# KiCad board rabbit_mask_video_edit.kicad_pcb (continued)
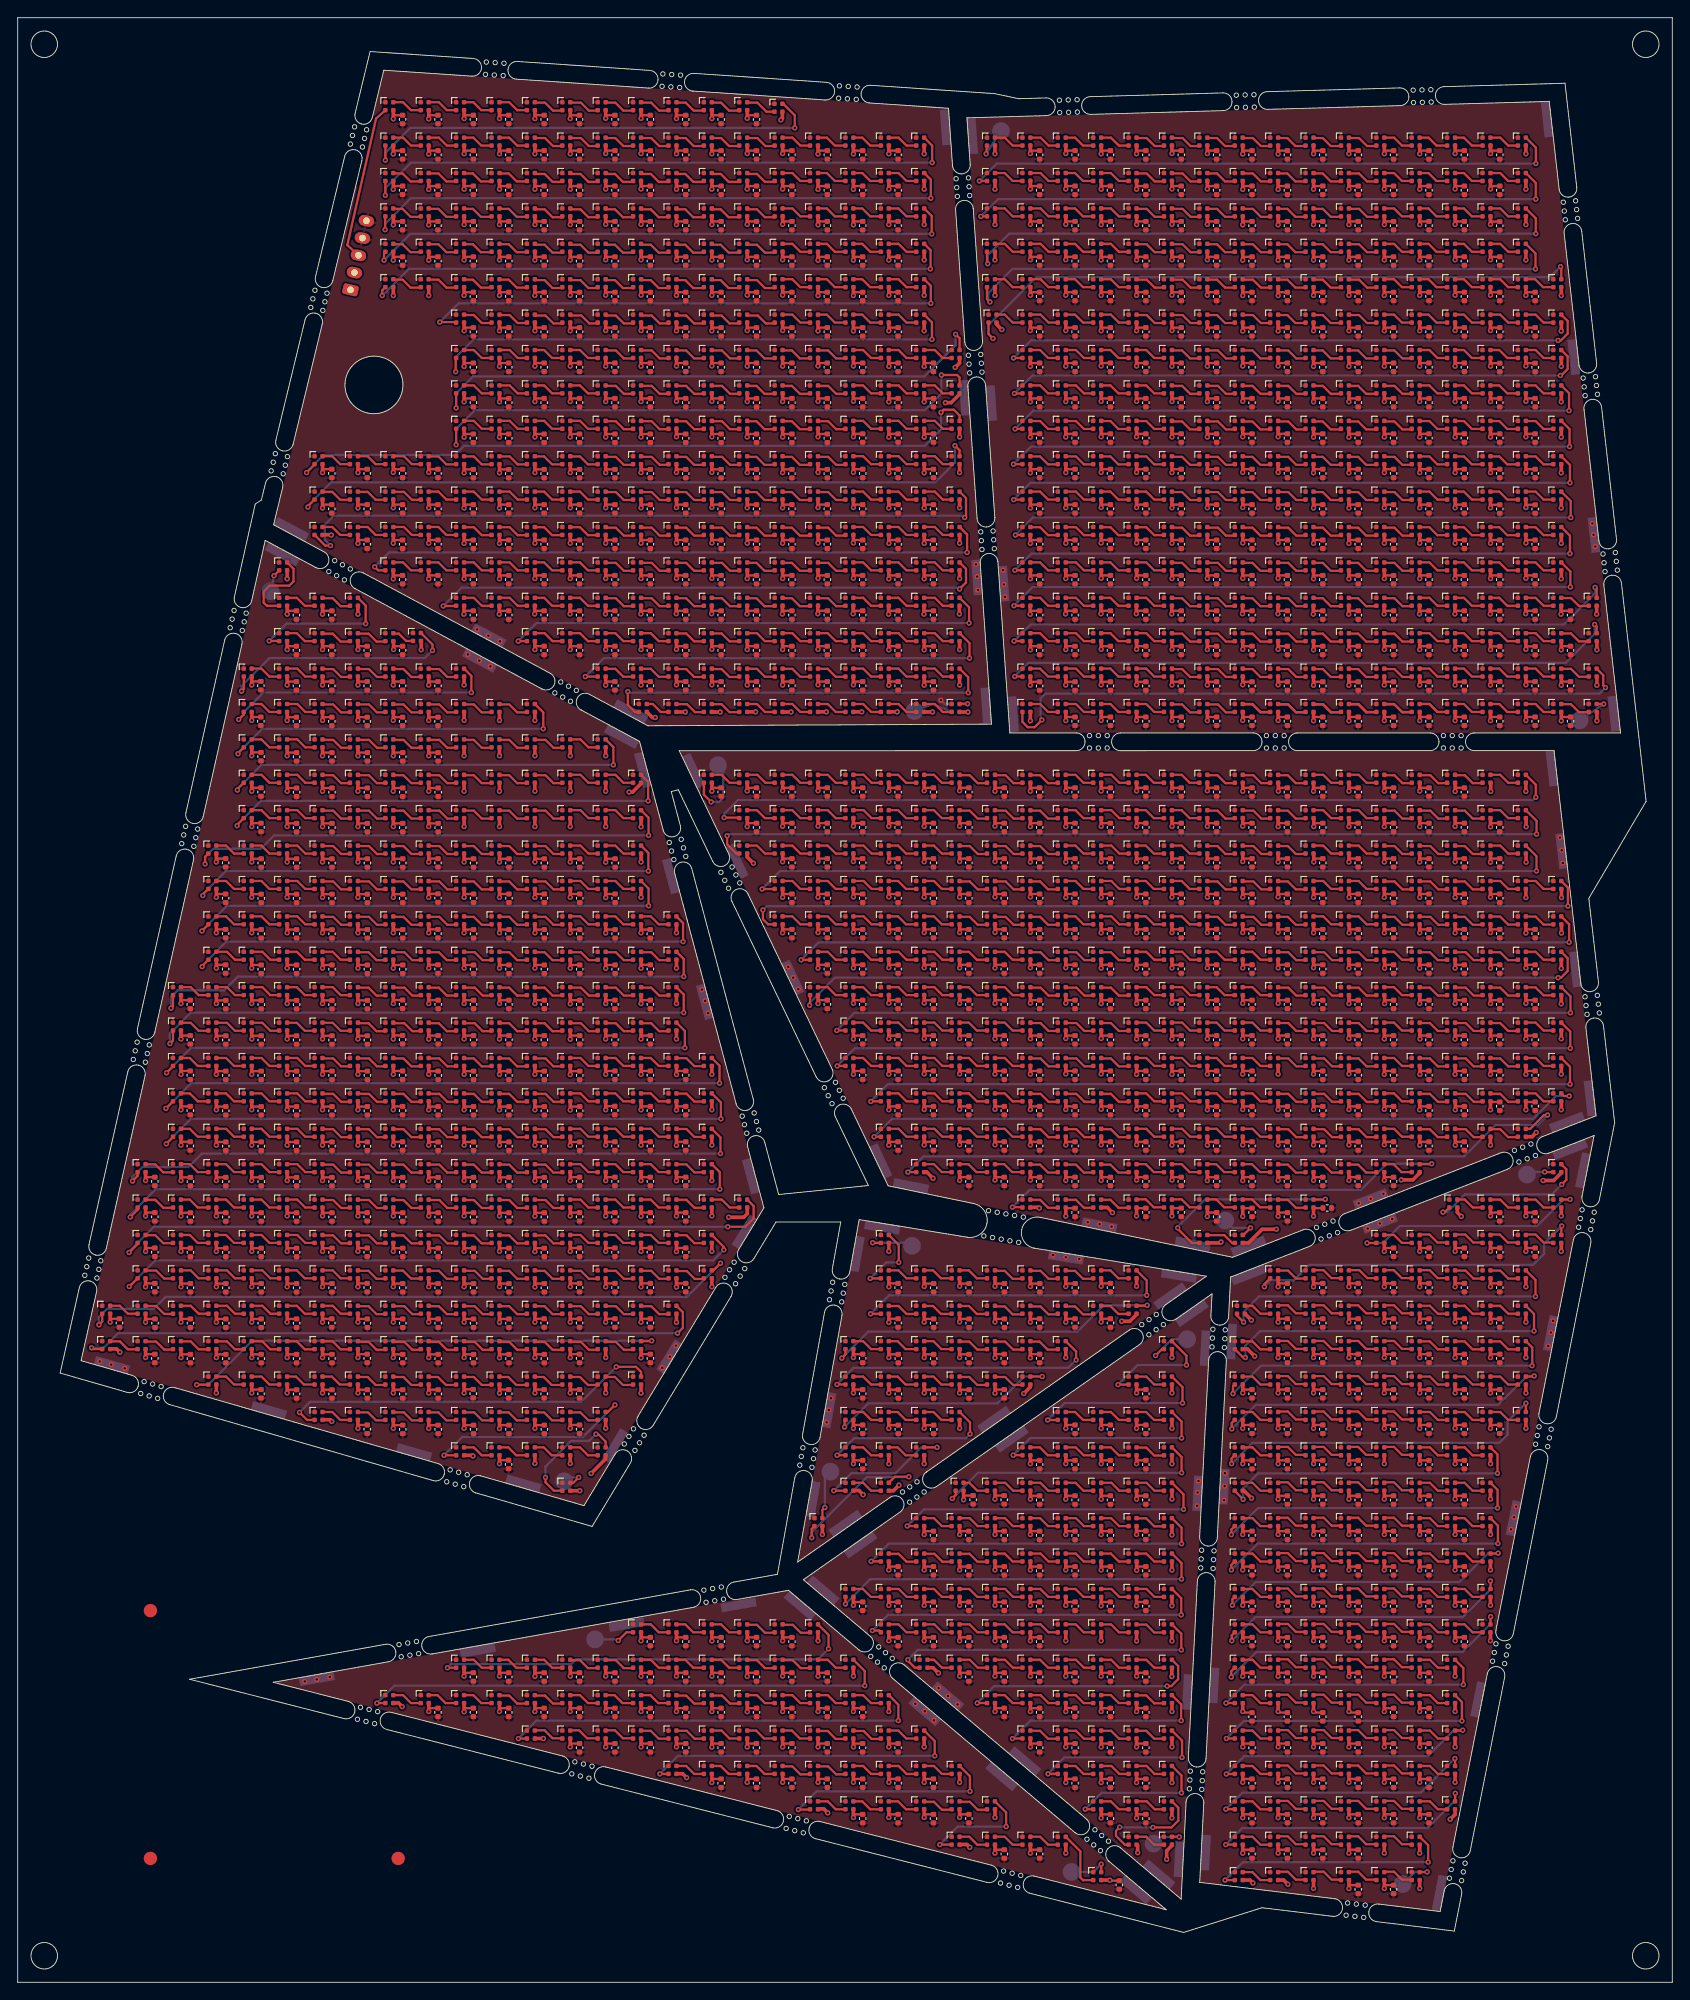
[diagram p0: board, top side]
## Routing (per net, layer and track width the routed paths; a pad name or vN(x,y) marks a point on that pad's centre or on a via; arc(x,y) is an arc through that point) (continued)
Net-(D509-DOUT): length 3.5
  Top w0.25: D509.3 171.55,152.45 172.45,151.55 D510.1
Net-(D510-DOUT): length 3.5
  Top w0.25: 174.45,152.43 175.55,152.43 176.45,151.53 177.55,151.53
Net-(D511-DOUT): length 70.6
  Top w0.25: v1(178.22,153.44) 178.45,153.21 D511.3 ; v1(112.68,147.56) 113.54,147.56 D530.1
  Bottom w0.25: v1(178.22,153.44) 178.22,152.37 174.94,149.09 114.21,149.09 v1(112.68,147.56)
Net-(D512-DOUT): length 3.5
  Top w0.25: D513.1 28.45,147.55 27.55,148.45 D512.3
Net-(D513-DOUT): length 3.5
  Top w0.25: 33.6,147.55 32.5,147.55 31.6,148.45 30.5,148.45
Net-(D514-DOUT): length 3.5
  Top w0.25: 37.65,147.5 36.55,147.5 35.65,148.4 34.55,148.4
Net-(D515-DOUT): length 3.5
  Top w0.25: 38.6,148.4 39.7,148.4 40.6,147.5 41.7,147.5
Net-(D516-DOUT): length 3.5
  Top w0.25: 42.5,148.4 43.6,148.4 44.5,147.5 45.6,147.5
Net-(D517-DOUT): length 3.5
  Top w0.25: 49.65,147.5 48.55,147.5 47.65,148.4 46.55,148.4
Net-(D518-DOUT): length 31.8
  Top w0.25: v1(51.28,145.75) 51.28,147.62 D518.3 ; v1(24.98,142.7) 25.55,143.28 D547.1
  Bottom w0.25: v1(51.28,145.75) 27.77,145.75 25.58,143.55 25.58,143.3 v1(24.98,142.7)
Net-(D519-DOUT): length 3.5
  Top w0.25: 69.55,147.53 68.45,147.53 67.55,148.43 66.45,148.43
Net-(D520-DOUT): length 3.5
  Top w0.25: 70.45,148.43 71.55,148.43 72.45,147.53 73.55,147.53
Net-(D521-DOUT): length 3.5
  Top w0.25: 77.55,147.5 76.45,147.5 75.55,148.4 74.45,148.4
Net-(D522-DOUT): length 3.5
  Top w0.25: 81.55,147.5 80.45,147.5 79.55,148.4 78.45,148.4
Net-(D523-DOUT): length 3.5
  Top w0.25: 82.45,148.43 83.55,148.43 84.45,147.53 85.55,147.53
Net-(D524-DOUT): length 3.5
  Top w0.25: 86.45,148.43 87.55,148.43 88.45,147.53 89.55,147.53
Net-(D525-DOUT): length 3.5
  Top w0.25: 90.45,148.43 91.55,148.43 92.45,147.53 93.55,147.53
Net-(D526-DOUT): length 3.5
  Top w0.25: D527.1 96.45,147.55 95.55,148.45 D526.3
Net-(D527-DOUT): length 3.5
  Top w0.25: D528.1 100.45,147.55 99.55,148.45 D527.3
Net-(D528-DOUT): length 3.5
  Top w0.25: 105.65,147.55 104.55,147.55 103.65,148.45 102.55,148.45
Net-(D529-DOUT): length 44.7
  Top w0.25: D556.1 69.75,143.55 68.95,144.35 v1(68.95,145.85) ; D529.3 107.43,147.47 v1(107.43,145.72)
  Bottom w0.25: v1(107.43,145.72) 69.08,145.72 v1(68.95,145.85)
Net-(D530-DOUT): length 3.5
  Top w0.25: D531.1 116.45,147.55 115.55,148.45 D530.3
Net-(D531-DOUT): length 3.5
  Top w0.25: 118.5,148.45 119.6,148.45 120.5,147.55 121.6,147.55
Net-(D532-DOUT): length 3.5
  Top w0.25: 122.4,148.45 123.5,148.45 124.4,147.55 125.5,147.55
Net-(D533-DOUT): length 3.5
  Top w0.25: D533.3 127.55,148.45 128.45,147.55 D534.1
Net-(D534-DOUT): length 3.5
  Top w0.25: 133.6,147.5 132.5,147.5 131.6,148.4 130.5,148.4
Net-(D535-DOUT): length 3.5
  Top w0.25: 137.65,147.5 136.55,147.5 135.65,148.4 134.55,148.4
Net-(D536-DOUT): length 3.5
  Top w0.25: 138.45,148.4 139.55,148.4 140.45,147.5 141.55,147.5
Net-(D537-DOUT): length 3.5
  Top w0.25: 142.5,148.4 143.6,148.4 144.5,147.5 145.6,147.5
Net-(D538-DOUT): length 3.5
  Top w0.25: 149.5,147.5 148.4,147.5 147.5,148.4 146.4,148.4
Net-(D539-DOUT): length 3.5
  Top w0.25: 150.4,148.4 151.5,148.4 152.4,147.5 153.5,147.5
Net-(D540-DOUT): length 3.5
  Top w0.25: 154.5,148.4 155.6,148.4 156.5,147.5 157.6,147.5
Net-(D541-DOUT): length 3.5
  Top w0.25: D541.3 159.55,148.45 160.45,147.55 D542.1
Net-(D542-DOUT): length 3.5
  Top w0.25: 165.45,147.55 164.35,147.55 163.45,148.45 162.35,148.45
Net-(D543-DOUT): length 3.5
  Top w0.25: 166.35,148.45 167.45,148.45 168.35,147.55 169.45,147.55
Net-(D544-DOUT): length 3.5
  Top w0.25: D545.1 172.45,147.55 171.55,148.45 D544.3
Net-(D545-DOUT): length 3.5
  Top w0.25: 177.55,147.53 176.45,147.53 175.55,148.43 174.45,148.43
Net-(D546-DOUT): length 73.3
  Top w0.25: v1(179.45,146.3) 179.2,146.55 179.2,147.7 D546.3 ; D566.1 113.55,142.42 114.15,141.82 114.93,141.82 v1(115.75,142.65)
  Bottom w0.25: v1(115.75,142.65) 115.6,142.8 115.6,145.08 116.15,145.63 178.78,145.63 v1(179.45,146.3)
Net-(D547-DOUT): length 3.5
  Top w0.25: D547.3 27.55,144.45 28.45,143.55 D548.1
Net-(D548-DOUT): length 3.5
  Top w0.25: 30.5,144.45 31.6,144.45 32.5,143.55 33.6,143.55
Net-(D549-DOUT): length 3.5
  Top w0.25: 34.55,144.4 35.65,144.4 36.55,143.5 37.65,143.5
Net-(D550-DOUT): length 3.5
  Top w0.25: 38.6,144.4 39.7,144.4 40.6,143.5 41.7,143.5
Net-(D551-DOUT): length 3.5
  Top w0.25: 42.5,144.4 43.6,144.4 44.5,143.5 45.6,143.5
Net-(D552-DOUT): length 3.5
  Top w0.25: 49.65,143.5 48.55,143.5 47.65,144.4 46.55,144.4
Net-(D553-DOUT): length 3.5
  Top w0.25: 50.45,144.4 51.55,144.4 52.45,143.5 53.55,143.5
Net-(D554-DOUT): length 3.5
  Top w0.25: 57.55,143.5 56.45,143.5 55.55,144.4 54.45,144.4
Net-(D555-DOUT): length 39.9
  Top w0.25: v1(24.9,138.82) 24.9,138.9 D583.1 ; v1(59.4,141.65) 59.4,143.5 D555.3
  Bottom w0.25: v1(59.4,141.65) 27.65,141.65 24.9,138.9 v1(24.9,138.82)
Net-(D556-DOUT): length 2.8
  Top w0.25: D556.3 71.78,144.45 72.67,143.55 D557.1
Net-(D557-DOUT): length 3.5
  Top w0.25: 74.45,144.43 75.65,144.43 76.55,143.53 77.55,143.53
Net-(D558-DOUT): length 3.5
  Top w0.25: 78.45,144.43 79.55,144.43 80.45,143.53 81.55,143.53
Net-(D559-DOUT): length 3.5
  Top w0.25: D559.3 83.55,144.45 84.45,143.55 D560.1
Net-(D560-DOUT): length 3.5
  Top w0.25: D561.1 88.45,143.55 87.55,144.45 D560.3
Net-(D561-DOUT): length 3.5
  Top w0.25: D561.3 91.55,144.45 92.45,143.55 D562.1
Net-(D562-DOUT): length 3.5
  Top w0.25: D562.3 95.55,144.45 96.45,143.55 D563.1
Net-(D563-DOUT): length 3.5
  Top w0.25: D563.3 99.55,144.45 100.45,143.55 D564.1
Net-(D564-DOUT): length 3.5
  Top w0.25: 105.65,143.55 104.55,143.55 103.65,144.45 102.55,144.45
Net-(D566-DOUT): length 3.5
  Top w0.25: D566.3 115.55,144.45 116.45,143.55 D567.1
Net-(D567-DOUT): length 3.5
  Top w0.25: 118.5,144.45 119.6,144.45 120.5,143.55 121.6,143.55
Net-(D568-DOUT): length 3.5
  Top w0.25: 122.4,144.45 123.5,144.45 124.4,143.55 125.5,143.55
Net-(D569-DOUT): length 3.5
  Top w0.25: D569.3 127.55,144.45 128.45,143.55 D570.1
Net-(D570-DOUT): length 3.5
  Top w0.25: 133.6,143.5 132.5,143.5 131.6,144.4 130.5,144.4
Net-(D571-DOUT): length 3.5
  Top w0.25: 137.65,143.5 136.55,143.5 135.65,144.4 134.55,144.4
Net-(D572-DOUT): length 6.9
  Top w0.25: 138.45,144.4 139.55,144.4 140.45,143.5 141.55,143.5 ; D572.3 139.55,144.45 140.45,143.55 D573.1
Net-(D573-DOUT): length 6.9
  Top w0.25: 142.45,144.43 143.55,144.43 144.45,143.53 145.55,143.53 ; 142.5,144.4 143.6,144.4 144.5,143.5 145.6,143.5
Net-(D574-DOUT): length 6.9
  Top w0.25: 146.4,144.4 147.5,144.4 148.4,143.5 149.5,143.5 ; 149.55,143.53 148.45,143.53 147.55,144.43 146.45,144.43
Net-(D575-DOUT): length 6.9
  Top w0.25: 153.5,143.5 152.4,143.5 151.5,144.4 150.4,144.4 ; D576.1 152.45,143.55 151.55,144.45 D575.3
Net-(D576-DOUT): length 6.9
  Top w0.25: 157.6,143.5 156.5,143.5 155.6,144.4 154.5,144.4 ; D576.3 155.55,144.45 156.45,143.55 D577.1
Net-(D577-DOUT): length 6.9
  Top w0.25: 159.55,144.45 160.45,143.55 ; 159.55,144.45 D577.3 159.55,144.45 ; 159.55,144.45 160.45,143.55 ; 160.45,143.55 D578.1 160.45,143.55
Net-(D578-DOUT): length 3.5
  Top w0.25: 162.35,144.45 163.45,144.45 164.35,143.55 165.45,143.55
Net-(D579-DOUT): length 3.5
  Top w0.25: 166.35,144.45 167.45,144.45 168.35,143.55 169.45,143.55
Net-(D580-DOUT): length 3.5
  Top w0.25: D581.1 172.45,143.55 171.55,144.45 D580.3
Net-(D581-DOUT): length 3.5
  Top w0.25: 177.55,143.53 176.45,143.53 175.55,144.43 174.45,144.43
Net-(D583-DOUT): length 3.5
  Top w0.25: D584.1 28.45,139.55 27.55,140.45 D583.3
Net-(D584-DOUT): length 3.5
  Top w0.25: 30.5,140.45 31.6,140.45 32.5,139.55 33.6,139.55
Net-(D585-DOUT): length 3.5
  Top w0.25: 34.55,140.4 35.65,140.4 36.55,139.5 37.65,139.5
Net-(D586-DOUT): length 3.5
  Top w0.25: 38.6,140.4 39.7,140.4 40.6,139.5 41.7,139.5
Net-(D587-DOUT): length 3.5
  Top w0.25: 45.6,139.5 44.5,139.5 43.6,140.4 42.5,140.4
Net-(D588-DOUT): length 3.5
  Top w0.25: 46.55,140.4 47.65,140.4 48.55,139.5 49.65,139.5
Net-(D589-DOUT): length 3.5
  Top w0.25: 50.45,140.4 51.55,140.4 52.45,139.5 53.55,139.5
Net-(D590-DOUT): length 3.5
  Top w0.25: 54.45,140.4 55.55,140.4 56.45,139.5 57.55,139.5
Net-(D591-DOUT): length 3.5
  Top w0.25: 58.55,140.4 59.65,140.4 60.55,139.5 61.65,139.5
Net-(D592-DOUT): length 3.5
  Top w0.25: 65.6,139.55 64.5,139.55 63.6,140.45 62.5,140.45
Net-(D593-DOUT): length 48.1
  Top w0.25: D594.1 24.83,134.82 v1(24.83,134.72) ; D593.3 67.33,139.57 v1(67.33,137.57)
  Bottom w0.25: v1(67.33,137.57) 27.55,137.57 24.83,134.85 v1(24.83,134.72)
Net-(D594-DOUT): length 3.5
  Top w0.25: D594.3 27.55,136.45 28.45,135.55 D595.1
Net-(D595-DOUT): length 3.5
  Top w0.25: 33.6,135.55 32.5,135.55 31.6,136.45 30.5,136.45
Net-(D596-DOUT): length 3.5
  Top w0.25: 34.55,136.4 35.65,136.4 36.55,135.5 37.65,135.5
Net-(D597-DOUT): length 3.5
  Top w0.25: 38.6,136.4 39.7,136.4 40.6,135.5 41.7,135.5
Net-(D598-DOUT): length 3.5
  Top w0.25: 42.5,136.4 43.6,136.4 44.5,135.5 45.6,135.5
Net-(D599-DOUT): length 3.5
  Top w0.25: 49.65,135.5 48.55,135.5 47.65,136.4 46.55,136.4
Net-(D600-DOUT): length 3.5
  Top w0.25: 53.55,135.5 52.45,135.5 51.55,136.4 50.45,136.4
Net-(D601-DOUT): length 3.5
  Top w0.25: 54.45,136.4 55.55,136.4 56.45,135.5 57.55,135.5
Net-(D602-DOUT): length 3.5
  Top w0.25: 61.65,135.5 60.55,135.5 59.65,136.4 58.55,136.4
Net-(D603-DOUT): length 3.5
  Top w0.25: 65.6,135.55 64.5,135.55 63.6,136.45 62.5,136.45
Net-(D604-DOUT): length 3.5
  Top w0.25: D605.1 68.45,135.55 67.55,136.45 D604.3
Net-(D605-DOUT): length 52.1
  Top w0.25: v1(71.25,133.5) 71.25,135.65 D605.3 ; D630.1 24.8,130.8 v1(24.8,130.7)
  Bottom w0.25: v1(71.25,133.5) 27.5,133.5 24.8,130.8 v1(24.8,130.7)
Net-(D606-DOUT): length 3.5
  Top w0.25: D606.3 79.55,136.45 80.45,135.55 D607.1
Net-(D607-DOUT): length 3.5
  Top w0.25: 82.5,136.45 83.6,136.45 84.5,135.55 85.6,135.55
Net-(D608-DOUT): length 3.5
  Top w0.25: D608.3 87.55,136.45 88.45,135.55 D609.1
Net-(D609-DOUT): length 3.5
  Top w0.25: D609.3 91.55,136.45 92.45,135.55 D610.1
Net-(D610-DOUT): length 3.5
  Top w0.25: 94.5,136.45 95.6,136.45 96.5,135.55 97.6,135.55
Net-(D611-DOUT): length 3.5
  Top w0.25: 98.4,136.45 99.5,136.45 100.4,135.55 101.5,135.55
Net-(D612-DOUT): length 3.5
  Top w0.25: D612.3 103.55,136.45 104.45,135.55 D613.1
Net-(D613-DOUT): length 3.5
  Top w0.25: 106.5,136.4 107.6,136.4 108.5,135.5 109.6,135.5
Net-(D614-DOUT): length 3.5
  Top w0.25: 110.55,136.4 111.65,136.4 112.55,135.5 113.65,135.5
Net-(D615-DOUT): length 3.5
  Top w0.25: 114.45,136.4 115.55,136.4 116.45,135.5 117.55,135.5
Net-(D616-DOUT): length 3.5
  Top w0.25: D617.1 120.45,135.55 119.55,136.45 D616.3
Net-(D617-DOUT): length 3.5
  Top w0.25: 125.6,135.55 124.5,135.55 123.6,136.45 122.5,136.45
Net-(D618-DOUT): length 3.5
  Top w0.25: 126.4,136.45 127.5,136.45 128.4,135.55 129.5,135.55
Net-(D619-DOUT): length 3.5
  Top w0.25: D620.1 132.45,135.55 131.55,136.45 D619.3
Net-(D620-DOUT): length 3.5
  Top w0.25: 134.5,136.4 135.6,136.4 136.5,135.5 137.6,135.5
Net-(D621-DOUT): length 3.5
  Top w0.25: 138.55,136.4 139.65,136.4 140.55,135.5 141.65,135.5
Net-(D622-DOUT): length 3.5
  Top w0.25: 142.45,136.4 143.55,136.4 144.45,135.5 145.55,135.5
Net-(D623-DOUT): length 3.5
  Top w0.25: D624.1 148.45,135.55 147.55,136.45 D623.3
Net-(D624-DOUT): length 3.5
  Top w0.25: D625.1 152.45,135.55 151.55,136.45 D624.3
Net-(D625-DOUT): length 3.5
  Top w0.25: 157.6,135.5 156.5,135.5 155.6,136.4 154.5,136.4
Net-(D626-DOUT): length 3.5
  Top w0.25: 158.55,136.4 159.65,136.4 160.55,135.5 161.65,135.5
Net-(D627-DOUT): length 3.5
  Top w0.25: 165.55,135.5 164.45,135.5 163.55,136.4 162.45,136.4
Net-(D628-DOUT): length 3.5
  Top w0.25: D629.1 168.45,135.55 167.55,136.45 D628.3
Net-(D629-DOUT): length 97.7
  Top w0.25: v1(171.57,133.91) 171.57,135.33 D629.3 ; v1(79.84,131.61) 81.49,131.61 D642.1
  Bottom w0.25: v1(171.57,133.91) 171.26,133.6 81.41,133.6 79.84,132.03 v1(79.84,131.61)
Net-(D630-DOUT): length 3.5
  Top w0.25: D631.1 28.45,131.55 27.55,132.45 D630.3
Net-(D631-DOUT): length 3.5
  Top w0.25: 30.5,132.45 31.6,132.45 32.5,131.55 33.6,131.55
Net-(D632-DOUT): length 3.5
  Top w0.25: 37.65,131.5 36.55,131.5 35.65,132.4 34.55,132.4
Net-(D633-DOUT): length 3.5
  Top w0.25: 38.6,132.4 39.7,132.4 40.6,131.5 41.7,131.5
Net-(D634-DOUT): length 3.5
  Top w0.25: 42.5,132.4 43.6,132.4 44.5,131.5 45.6,131.5
Net-(D635-DOUT): length 3.5
  Top w0.25: 49.65,131.5 48.55,131.5 47.65,132.4 46.55,132.4
Net-(D636-DOUT): length 3.5
  Top w0.25: 53.55,131.5 52.45,131.5 51.55,132.4 50.45,132.4
Net-(D637-DOUT): length 3.5
  Top w0.25: 54.45,132.4 55.55,132.4 56.45,131.5 57.55,131.5
Net-(D638-DOUT): length 3.5
  Top w0.25: 61.65,131.5 60.55,131.5 59.65,132.4 58.55,132.4
Net-(D639-DOUT): length 3.5
  Top w0.25: 62.5,132.45 63.6,132.45 64.5,131.55 65.6,131.55
Net-(D640-DOUT): length 3.5
  Top w0.25: D641.1 68.45,131.55 67.55,132.45 D640.3
Net-(D641-DOUT): length 56.5
  Top w0.25: D641.3 71.3,131.6 v1(71.3,129.6) ; D665.1 21.17,127.17 v1(21.17,126.38)
  Bottom w0.25: v1(21.17,126.38) 21.17,127.17 22.1,128.1 27.48,128.1 28.98,129.6 v1(71.3,129.6)
Net-(D642-DOUT): length 3.5
  Top w0.25: D642.3 83.55,132.45 84.45,131.55 D643.1
Net-(D643-DOUT): length 3.5
  Top w0.25: D644.1 88.45,131.55 87.55,132.45 D643.3
Net-(D644-DOUT): length 3.5
  Top w0.25: D644.3 91.55,132.45 92.45,131.55 D645.1
Net-(D645-DOUT): length 3.5
  Top w0.25: 97.6,131.55 96.5,131.55 95.6,132.45 94.5,132.45
Net-(D646-DOUT): length 3.5
  Top w0.25: 101.5,131.55 100.4,131.55 99.5,132.45 98.4,132.45
Net-(D647-DOUT): length 3.5
  Top w0.25: D648.1 104.45,131.55 103.55,132.45 D647.3
Net-(D648-DOUT): length 3.5
  Top w0.25: 109.6,131.5 108.5,131.5 107.6,132.4 106.5,132.4
Net-(D649-DOUT): length 3.5
  Top w0.25: 113.65,131.5 112.55,131.5 111.65,132.4 110.55,132.4
Net-(D650-DOUT): length 3.5
  Top w0.25: 117.55,131.5 116.45,131.5 115.55,132.4 114.45,132.4
Net-(D651-DOUT): length 3.5
  Top w0.25: D651.3 119.55,132.45 120.45,131.55 D652.1
Net-(D652-DOUT): length 3.5
  Top w0.25: 122.5,132.45 123.6,132.45 124.5,131.55 125.6,131.55
Net-(D653-DOUT): length 3.5
  Top w0.25: 129.5,131.55 128.4,131.55 127.5,132.45 126.4,132.45
Net-(D654-DOUT): length 3.5
  Top w0.25: D655.1 132.45,131.55 131.55,132.45 D654.3
Net-(D655-DOUT): length 3.5
  Top w0.25: 137.6,131.5 136.5,131.5 135.6,132.4 134.5,132.4
Net-(D656-DOUT): length 3.5
  Top w0.25: 138.55,132.4 139.65,132.4 140.55,131.5 141.65,131.5
Net-(D657-DOUT): length 3.5
  Top w0.25: 145.55,131.5 144.45,131.5 143.55,132.4 142.45,132.4
Net-(D658-DOUT): length 3.5
  Top w0.25: D659.1 148.45,131.55 147.55,132.45 D658.3
Net-(D659-DOUT): length 3.5
  Top w0.25: D659.3 151.55,132.45 152.45,131.55 D660.1
Net-(D660-DOUT): length 3.5
  Top w0.25: 154.5,132.4 155.6,132.4 156.5,131.5 157.6,131.5
Net-(D661-DOUT): length 3.5
  Top w0.25: 161.65,131.5 160.55,131.5 159.65,132.4 158.55,132.4
Net-(D662-DOUT): length 3.5
  Top w0.25: 165.55,131.5 164.45,131.5 163.55,132.4 162.45,132.4
Net-(D663-DOUT): length 3.5
  Top w0.25: D664.1 168.45,131.55 167.55,132.45 D663.3
Net-(D664-DOUT): length 97.5
  Top w0.25: v1(80.18,129.56) 80.18,128.59 81.22,127.55 D678.1 ; v1(171.66,129.74) 171.66,131.24 D664.3
  Bottom w0.25: v1(171.66,129.74) 80.36,129.74 v1(80.18,129.56)
Net-(D665-DOUT): length 3.5
  Top w0.25: D666.1 24.45,127.55 23.55,128.45 D665.3
Net-(D666-DOUT): length 3.5
  Top w0.25: D666.3 27.55,128.45 28.45,127.55 D667.1
Net-(D667-DOUT): length 3.5
  Top w0.25: 33.6,127.55 32.5,127.55 31.6,128.45 30.5,128.45
Net-(D668-DOUT): length 3.5
  Top w0.25: 37.65,127.5 36.55,127.5 35.65,128.4 34.55,128.4
Net-(D669-DOUT): length 3.5
  Top w0.25: 38.6,128.4 39.7,128.4 40.6,127.5 41.7,127.5
Net-(D670-DOUT): length 3.5
  Top w0.25: 45.6,127.5 44.5,127.5 43.6,128.4 42.5,128.4
Net-(D671-DOUT): length 3.5
  Top w0.25: 46.55,128.4 47.65,128.4 48.55,127.5 49.65,127.5
Net-(D672-DOUT): length 3.5
  Top w0.25: 53.55,127.5 52.45,127.5 51.55,128.4 50.45,128.4
Net-(D673-DOUT): length 3.5
  Top w0.25: 57.55,127.5 56.45,127.5 55.55,128.4 54.45,128.4
Net-(D674-DOUT): length 3.5
  Top w0.25: 58.55,128.4 59.65,128.4 60.55,127.5 61.65,127.5
Net-(D675-DOUT): length 3.5
  Top w0.25: 62.5,128.45 63.6,128.45 64.5,127.55 65.6,127.55
Net-(D676-DOUT): length 3.5
  Top w0.25: D676.3 67.55,128.45 68.45,127.55 D677.1
Net-(D677-DOUT): length 55.8
  Top w0.25: v1(20.92,122.8) 20.92,122.92 D701.1 ; v1(71.28,125.58) 71.28,127.62 D677.3
  Bottom w0.25: v1(71.28,125.58) 23.52,125.58 20.92,122.97 v1(20.92,122.8)
Net-(D678-DOUT): length 3.5
  Top w0.25: D679.1 84.45,127.55 83.55,128.45 D678.3
Net-(D679-DOUT): length 3.5
  Top w0.25: D680.1 88.45,127.55 87.55,128.45 D679.3
Net-(D680-DOUT): length 3.5
  Top w0.25: D680.3 91.55,128.45 92.45,127.55 D681.1
Net-(D681-DOUT): length 3.5
  Top w0.25: 97.6,127.55 96.5,127.55 95.6,128.45 94.5,128.45
Net-(D682-DOUT): length 3.5
  Top w0.25: 98.4,128.45 99.5,128.45 100.4,127.55 101.5,127.55
Net-(D683-DOUT): length 3.5
  Top w0.25: D683.3 103.55,128.45 104.45,127.55 D684.1
Net-(D684-DOUT): length 3.5
  Top w0.25: 109.6,127.5 108.5,127.5 107.6,128.4 106.5,128.4
Net-(D685-DOUT): length 3.5
  Top w0.25: 110.55,128.4 111.65,128.4 112.55,127.5 113.65,127.5
Net-(D686-DOUT): length 3.5
  Top w0.25: 114.45,128.4 115.55,128.4 116.45,127.5 117.55,127.5
Net-(D687-DOUT): length 3.5
  Top w0.25: D687.3 119.55,128.45 120.45,127.55 D688.1
Net-(D688-DOUT): length 3.5
  Top w0.25: 122.5,128.45 123.6,128.45 124.5,127.55 125.6,127.55
Net-(D689-DOUT): length 3.5
  Top w0.25: 126.4,128.45 127.5,128.45 128.4,127.55 129.5,127.55
Net-(D690-DOUT): length 3.5
  Top w0.25: D690.3 131.55,128.45 132.45,127.55 D691.1
Net-(D691-DOUT): length 3.5
  Top w0.25: 134.5,128.4 135.6,128.4 136.5,127.5 137.6,127.5
Net-(D692-DOUT): length 3.5
  Top w0.25: 141.65,127.5 140.55,127.5 139.65,128.4 138.55,128.4
Net-(D693-DOUT): length 3.5
  Top w0.25: 145.55,127.5 144.45,127.5 143.55,128.4 142.45,128.4
Net-(D694-DOUT): length 3.5
  Top w0.25: D695.1 148.45,127.55 147.55,128.45 D694.3
Net-(D695-DOUT): length 3.5
  Top w0.25: D696.1 152.45,127.55 151.55,128.45 D695.3
Net-(D696-DOUT): length 3.5
  Top w0.25: 154.5,128.4 155.6,128.4 156.5,127.5 157.6,127.5
Net-(D697-DOUT): length 3.5
  Top w0.25: 161.65,127.5 160.55,127.5 159.65,128.4 158.55,128.4
Net-(D698-DOUT): length 3.5
  Top w0.25: 162.45,128.4 163.55,128.4 164.45,127.5 165.55,127.5
Net-(D699-DOUT): length 3.5
  Top w0.25: D699.3 167.55,128.45 168.45,127.55 D700.1
Net-(D700-DOUT): length 93.2
  Top w0.25: v1(171.65,125.58) 171.65,127.25 D700.3 ; D714.1 85.54,123.54 v1(84.13,123.54)
  Bottom w0.25: v1(84.13,123.54) 86.17,125.58 v1(171.65,125.58)
Net-(D701-DOUT): length 3.5
  Top w0.25: D701.3 23.55,124.45 24.45,123.55 D702.1
Net-(D702-DOUT): length 3.5
  Top w0.25: D702.3 27.55,124.45 28.45,123.55 D703.1
Net-(D703-DOUT): length 3.5
  Top w0.25: 30.5,124.45 31.6,124.45 32.5,123.55 33.6,123.55
Net-(D704-DOUT): length 3.5
  Top w0.25: 34.55,124.4 35.65,124.4 36.55,123.5 37.65,123.5
Net-(D705-DOUT): length 3.5
  Top w0.25: 41.7,123.5 40.6,123.5 39.7,124.4 38.6,124.4
Net-(D706-DOUT): length 3.5
  Top w0.25: 45.6,123.5 44.5,123.5 43.6,124.4 42.5,124.4
Net-(D707-DOUT): length 3.5
  Top w0.25: 49.65,123.5 48.55,123.5 47.65,124.4 46.55,124.4
Net-(D708-DOUT): length 3.5
  Top w0.25: 53.55,123.5 52.45,123.5 51.55,124.4 50.45,124.4
Net-(D709-DOUT): length 3.5
  Top w0.25: 57.55,123.5 56.45,123.5 55.55,124.4 54.45,124.4
Net-(D710-DOUT): length 3.5
  Top w0.25: 58.55,124.4 59.65,124.4 60.55,123.5 61.65,123.5
Net-(D711-DOUT): length 3.5
  Top w0.25: 65.6,123.55 64.5,123.55 63.6,124.45 62.5,124.45
Net-(D712-DOUT): length 3.5
  Top w0.25: D713.1 68.45,123.55 67.55,124.45 D712.3
Net-(D713-DOUT): length 55.9
  Top w0.25: v1(20.83,118.8) 21.55,119.53 D737.1 ; D713.3 71.3,123.6 v1(71.3,121.65)
  Bottom w0.25: v1(71.3,121.65) 23.65,121.65 20.83,118.83 v1(20.83,118.8)
Net-(D714-DOUT): length 3.5
  Top w0.25: D715.1 88.45,123.55 87.55,124.45 D714.3
Net-(D715-DOUT): length 3.5
  Top w0.25: D716.1 92.45,123.55 91.55,124.45 D715.3
Net-(D716-DOUT): length 3.5
  Top w0.25: 94.5,124.45 95.6,124.45 96.5,123.55 97.6,123.55
Net-(D717-DOUT): length 3.5
  Top w0.25: 98.4,124.45 99.5,124.45 100.4,123.55 101.5,123.55
Net-(D718-DOUT): length 3.5
  Top w0.25: D718.3 103.55,124.45 104.45,123.55 D719.1
Net-(D719-DOUT): length 3.5
  Top w0.25: 106.5,124.4 107.6,124.4 108.5,123.5 109.6,123.5
Net-(D720-DOUT): length 3.5
  Top w0.25: 110.55,124.4 111.65,124.4 112.55,123.5 113.65,123.5
Net-(D721-DOUT): length 3.5
  Top w0.25: 114.45,124.4 115.55,124.4 116.45,123.5 117.55,123.5
Net-(D722-DOUT): length 3.5
  Top w0.25: D723.1 120.45,123.55 119.55,124.45 D722.3
Net-(D723-DOUT): length 3.5
  Top w0.25: 125.6,123.55 124.5,123.55 123.6,124.45 122.5,124.45
Net-(D724-DOUT): length 3.5
  Top w0.25: 126.4,124.45 127.5,124.45 128.4,123.55 129.5,123.55
Net-(D725-DOUT): length 3.5
  Top w0.25: D726.1 132.45,123.55 131.55,124.45 D725.3
Net-(D726-DOUT): length 3.5
  Top w0.25: 134.5,124.4 135.6,124.4 136.5,123.5 137.6,123.5
Net-(D727-DOUT): length 3.5
  Top w0.25: 141.65,123.5 140.55,123.5 139.65,124.4 138.55,124.4
Net-(D728-DOUT): length 3.5
  Top w0.25: 145.55,123.5 144.45,123.5 143.55,124.4 142.45,124.4
Net-(D729-DOUT): length 3.5
  Top w0.25: D729.3 147.55,124.45 148.45,123.55 D730.1
Net-(D730-DOUT): length 3.5
  Top w0.25: D731.1 152.45,123.55 151.55,124.45 D730.3
Net-(D731-DOUT): length 3.5
  Top w0.25: 154.5,124.4 155.6,124.4 156.5,123.5 157.6,123.5
Net-(D732-DOUT): length 3.5
  Top w0.25: 158.55,124.4 159.65,124.4 160.55,123.5 161.65,123.5
Net-(D733-DOUT): length 3.5
  Top w0.25: 165.55,123.5 164.45,123.5 163.55,124.4 162.45,124.4
Net-(D734-DOUT): length 3.5
  Top w0.25: D734.3 167.55,124.45 168.45,123.55 D735.1
Net-(D735-DOUT): length 3.5
  Top w0.25: D736.1 172.45,123.55 171.55,124.45 D735.3
Net-(D736-DOUT): length 96.9
  Top w0.25: v1(175.2,121.61) 175.2,123.7 D736.3 ; D751.1 84.8,119.55 84.22,120.12 v1(84.22,121.17)
  Bottom w0.25: v1(84.22,121.17) 84.66,121.61 v1(175.2,121.61)
Net-(D737-DOUT): length 3.5
  Top w0.25: D737.3 23.55,120.45 24.45,119.55 D738.1
Net-(D738-DOUT): length 3.5
  Top w0.25: D739.1 28.45,119.55 27.55,120.45 D738.3
Net-(D739-DOUT): length 3.5
  Top w0.25: 33.6,119.55 32.5,119.55 31.6,120.45 30.5,120.45
Net-(D740-DOUT): length 3.5
  Top w0.25: 34.55,120.4 35.65,120.4 36.55,119.5 37.65,119.5
Net-(D741-DOUT): length 3.5
  Top w0.25: 41.7,119.5 40.6,119.5 39.7,120.4 38.6,120.4
Net-(D742-DOUT): length 3.5
  Top w0.25: 42.5,120.4 43.6,120.4 44.5,119.5 45.6,119.5
Net-(D743-DOUT): length 3.5
  Top w0.25: 49.65,119.5 48.55,119.5 47.65,120.4 46.55,120.4
Net-(D744-DOUT): length 3.5
  Top w0.25: 53.55,119.5 52.45,119.5 51.55,120.4 50.45,120.4
Net-(D745-DOUT): length 3.5
  Top w0.25: 54.45,120.4 55.55,120.4 56.45,119.5 57.55,119.5
Net-(D746-DOUT): length 3.5
  Top w0.25: 58.55,120.4 59.65,120.4 60.55,119.5 61.65,119.5
Net-(D747-DOUT): length 3.5
  Top w0.25: 62.5,120.45 63.6,120.45 64.5,119.55 65.6,119.55
Net-(D748-DOUT): length 3.5
  Top w0.25: D749.1 68.45,119.55 67.55,120.45 D748.3
Net-(D749-DOUT): length 3.5
  Top w0.25: D750.1 72.45,119.55 71.55,120.45 D749.3
Net-(D750-DOUT): length 59.8
  Top w0.25: D774.1 20.85,114.85 v1(20.85,114.78) ; D750.3 75.2,119.7 v1(75.2,117.6)
  Bottom w0.25: v1(20.85,114.78) 20.85,114.88 23.58,117.6 v1(75.2,117.6)
Net-(D751-DOUT): length 3.5
  Top w0.25: D751.3 87.55,120.45 88.45,119.55 D752.1
Net-(D752-DOUT): length 3.5
  Top w0.25: D752.3 91.55,120.45 92.45,119.55 D753.1
Net-(D753-DOUT): length 3.5
  Top w0.25: 94.5,120.45 95.6,120.45 96.5,119.55 97.6,119.55
Net-(D754-DOUT): length 3.5
  Top w0.25: 98.4,120.45 99.5,120.45 100.4,119.55 101.5,119.55
Net-(D755-DOUT): length 3.5
  Top w0.25: D756.1 104.45,119.55 103.55,120.45 D755.3
Net-(D756-DOUT): length 3.5
  Top w0.25: 106.5,120.4 107.6,120.4 108.5,119.5 109.6,119.5
Net-(D757-DOUT): length 3.5
  Top w0.25: 110.55,120.4 111.65,120.4 112.55,119.5 113.65,119.5
Net-(D758-DOUT): length 3.5
  Top w0.25: 117.55,119.5 116.45,119.5 115.55,120.4 114.45,120.4
Net-(D759-DOUT): length 3.5
  Top w0.25: D759.3 119.55,120.45 120.45,119.55 D760.1
Net-(D760-DOUT): length 3.5
  Top w0.25: 122.5,120.45 123.6,120.45 124.5,119.55 125.6,119.55
Net-(D761-DOUT): length 3.5
  Top w0.25: 126.4,120.45 127.5,120.45 128.4,119.55 129.5,119.55
Net-(D762-DOUT): length 3.5
  Top w0.25: D763.1 132.45,119.55 131.55,120.45 D762.3
Net-(D763-DOUT): length 3.5
  Top w0.25: 134.5,120.4 135.6,120.4 136.5,119.5 137.6,119.5
Net-(D764-DOUT): length 3.5
  Top w0.25: 138.55,120.4 139.65,120.4 140.55,119.5 141.65,119.5
Net-(D765-DOUT): length 3.5
  Top w0.25: 145.55,119.5 144.45,119.5 143.55,120.4 142.45,120.4
Net-(D766-DOUT): length 3.5
  Top w0.25: D767.1 148.45,119.55 147.55,120.45 D766.3
Net-(D767-DOUT): length 3.5
  Top w0.25: D767.3 151.55,120.45 152.45,119.55 D768.1
Net-(D768-DOUT): length 3.5
  Top w0.25: 154.5,120.4 155.6,120.4 156.5,119.5 157.6,119.5
Net-(D769-DOUT): length 3.5
  Top w0.25: 161.65,119.5 160.55,119.5 159.65,120.4 158.55,120.4